# Altium PCB foxbms2-master.PcbDoc (part 4 of 11)
Units mm, origin at the board's own origin, x right, y up, seen from the top; angles counter-clockwise.
Board outline 200.02 x 144.34 mm, 8 copper layers (Top, Int1 (Sig), Int2 (Gnd), Int3 (Sig), Int4 (Sig), Int5 (Pwr), Int6 (Sig), Bottom), stack 1.636 mm thick; 806 components, 624 nets, 2842 pads, 2610 vias.
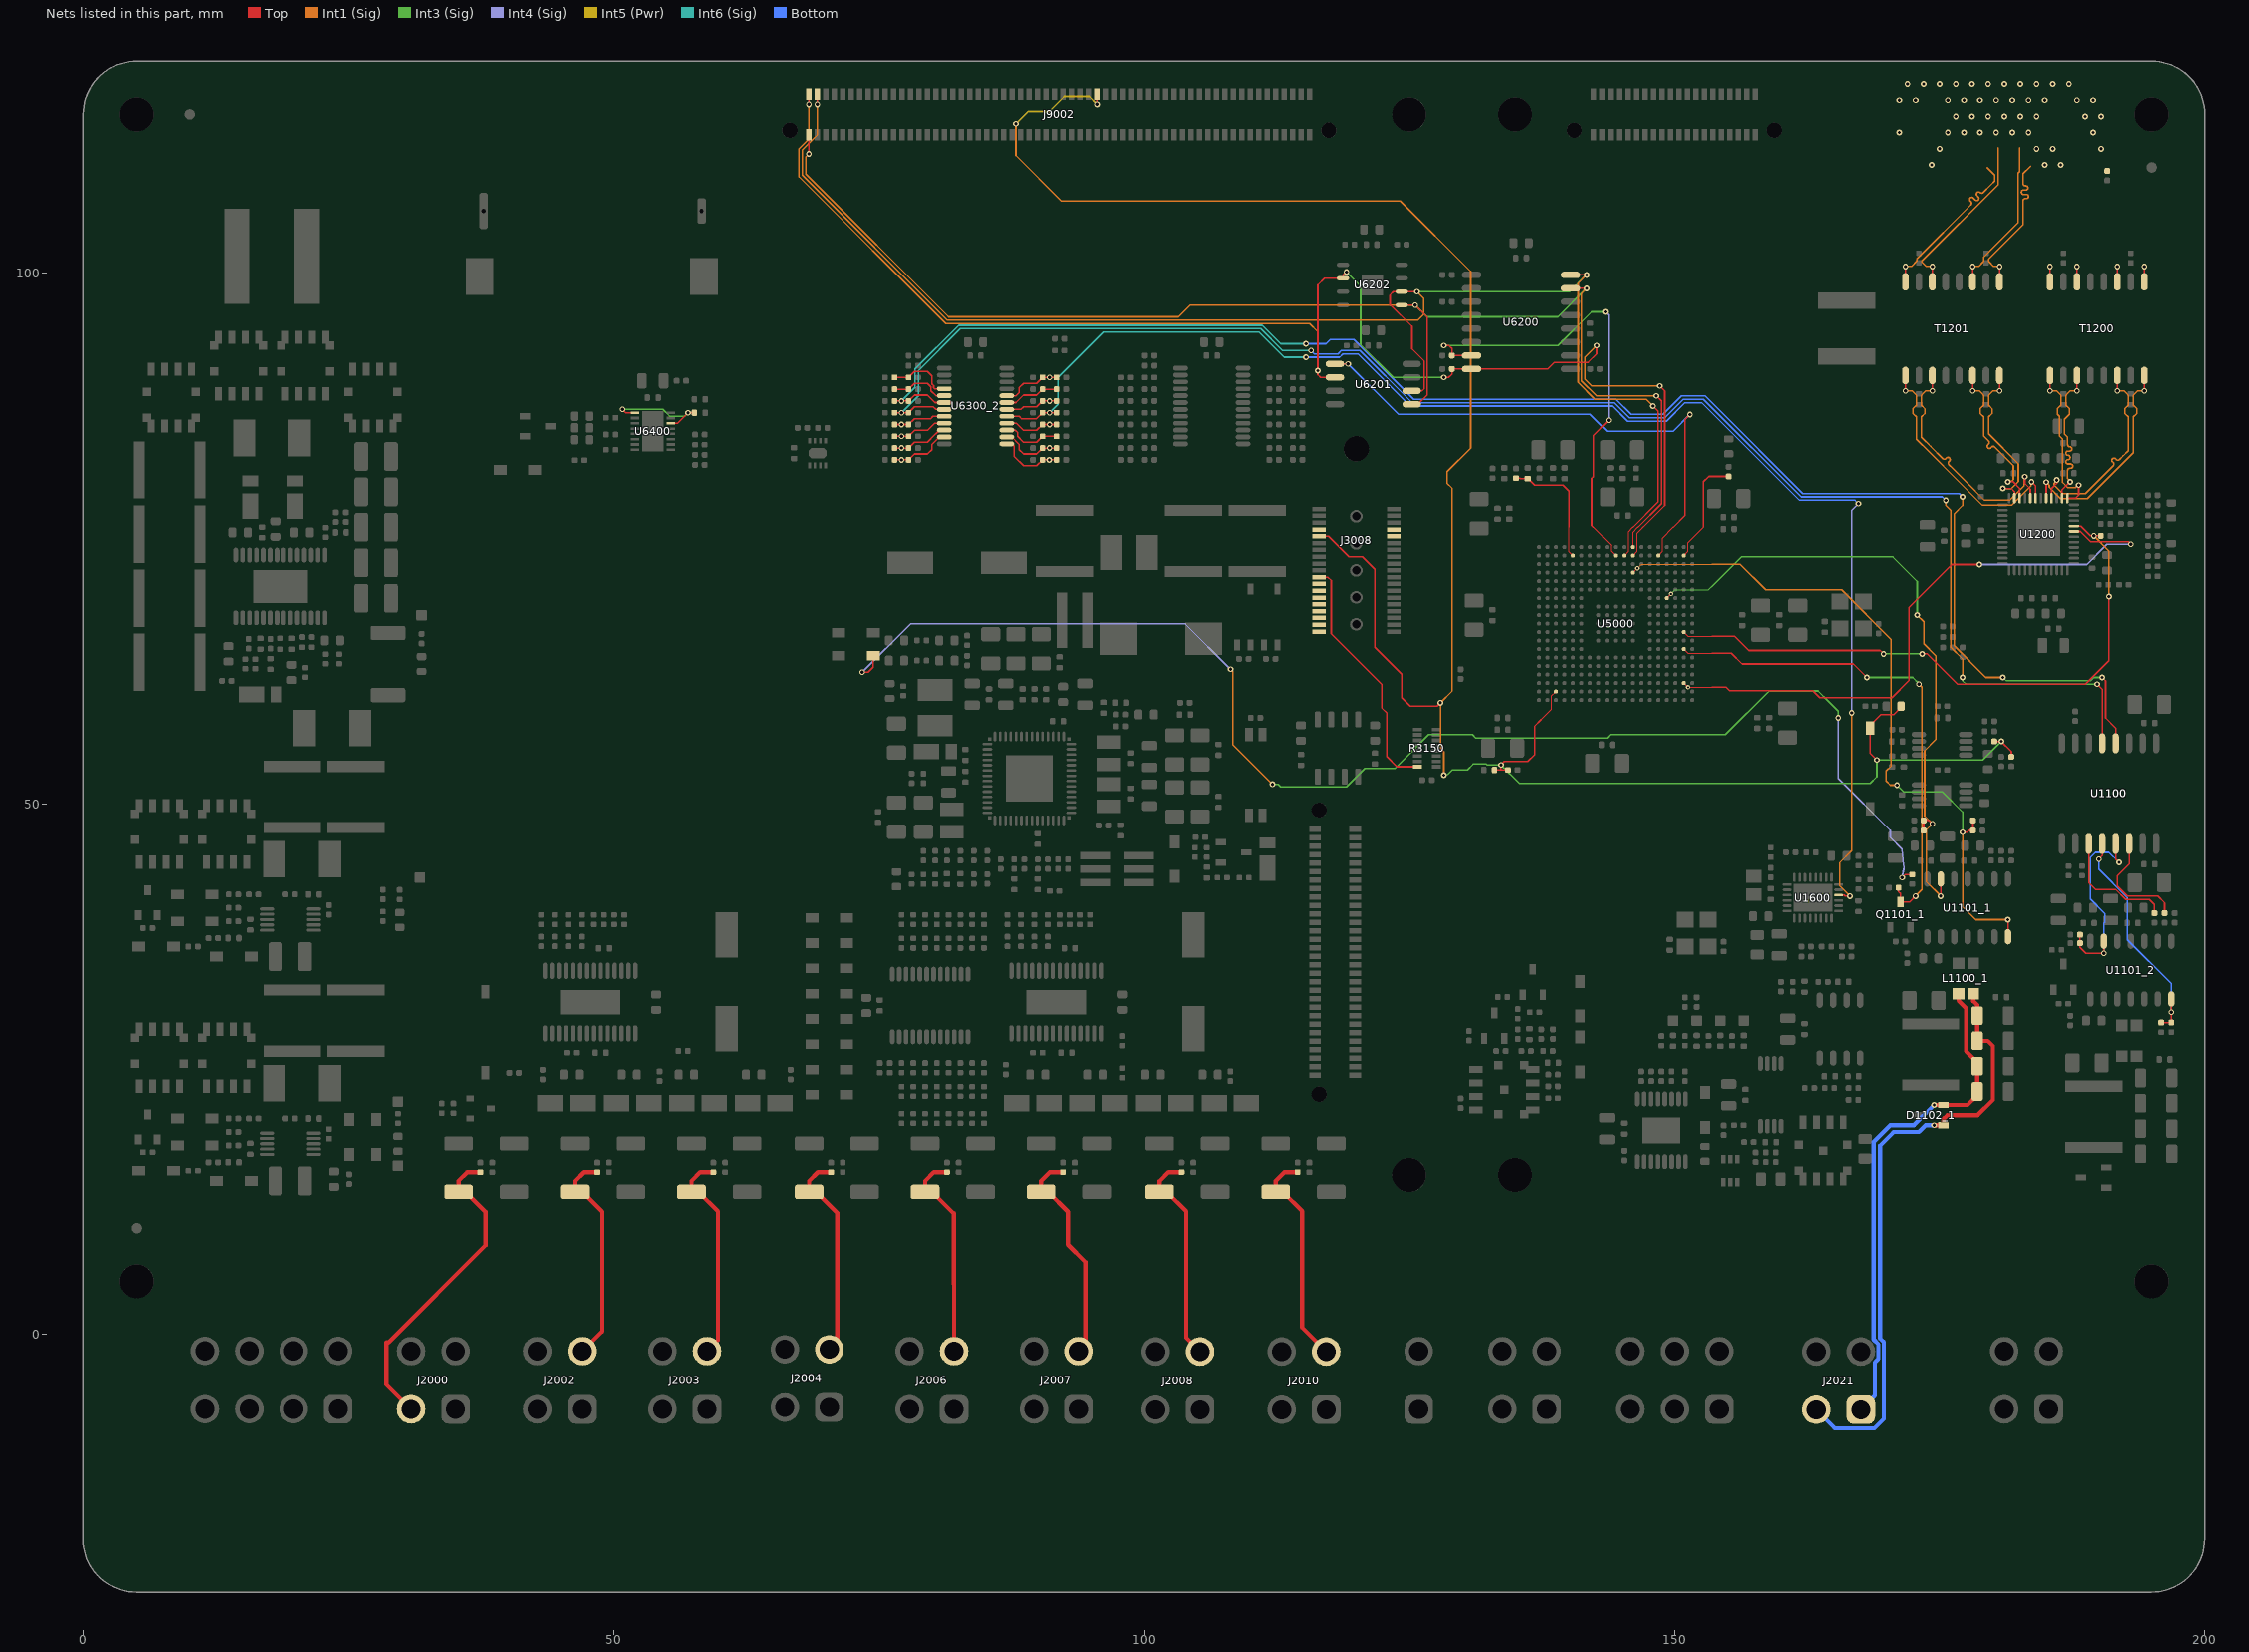
[diagram p10: the nets of this part, all layers, seen from the top]

## Part data (continued)
R1200 R1201 R1202 R1203 R1212 R1213 R1214 R1215 R1224 R1225 R1226 R4205_1 R4205_2 R4205_3 R4205_4 R4205_5 R4205_6 R4205_7 R4205_8 R6300 R6301 R6403 R6404 R6500 R6501 R7103 R7236 R7237 R8011 R8012 R8022: library part gen_R_2k49_0402, "SMD Resistor 2k49 0402", Case EIA=0402, Case Metric=1005, Maximum Working Voltage=50V, Operating Temperature="-55°C - +155°C", PnP Package=0402R, Power=0.063W, Supplier Part Number 1=2059135, Tolerance=1%, Automotive Qualified=True, Part Number=gen_R_2k49_0402, PnP Value=2k49, Resistance=2k49, Series=E96, Supplier 1=Farnell
R1204 R1205 R1206 R1207: library part gen_R_120R_0402, "SMD Resistor 120R 0402", Case EIA=0402, Case Metric=1005, Maximum Working Voltage=50V, Operating Temperature="-55°C - +155°C", PnP Package=0402R, Power=0.063W, Supplier Part Number 1=2302535, Tolerance=1%, AEC-Q Norm=AEC-Q200, Automotive Qualified=True, ECCN=EAR99, Part Number=gen_R_120R_0402, PnP Value=120R, Resistance=120R, Series=E24, Supplier 1=Farnell
R1216 R1217 R1218 R1219 R1220: library part gen_R_75R_0402, "SMD Resistor 75R 0402", Case EIA=0402, Case Metric=1005, Maximum Working Voltage=50V, Operating Temperature="-55°C - +155°C", PnP Package=0402R, Power=0.063W, Supplier Part Number 1=2059111, Tolerance=1%, AEC-Q Grade="Grade 0", AEC-Q Norm=AEC-Q200, Automotive Qualified=True, ECCN=EAR99, Part Number=gen_R_75R_0402, PnP Value=75R, Resistance=75R, Series="E24, E96", Supplier 1=Farnell
R1221: library part gen_R_11k_0402, "SMD Resistor 11k 0402", Case EIA=0402, Case Metric=1005, Maximum Working Voltage=50V, Operating Temperature="-55°C - +155°C", PnP Package=0402R, Power=0.063W, Supplier Part Number 1=2324762, Tolerance=1%, AEC-Q Norm=AEC-Q200, Automotive Qualified=True, ECCN=EAR99, Part Number=gen_R_11k_0402, PnP Value=11k, Resistance=11k, Series="E24, E96", Supplier 1=Farnell
R1222 R3000 R3004 R3009 R7207 R7229 R7231 R7232 R7235 R7240 R7241 R7242 R7243: library part gen_R_5k1_0402, "SMD Resistor 5k1 0402", Case EIA=0402, Case Metric=1005, Maximum Working Voltage=50V, Operating Temperature="-55°C - +155°C", PnP Package=0402R, Power=0.063W, Supplier Part Number 1=2302709, Tolerance=1%, AEC-Q Grade="Grade 0", AEC-Q Norm=AEC-Q200, Automotive Qualified=True, ECCN=EAR99, Part Number=gen_R_5k1_0402, PnP equipped=x, PnP Value=5k1, Resistance=5k1, Series=E24, Supplier 1=Farnell
R1227: library part gen_R_2k2_0402, "SMD Resistor 2k2 0402", Case EIA=0402, Case Metric=1005, Maximum Working Voltage=50V, Operating Temperature="-55°C - +155°C", PnP Package=0402R, Power=0.063W, Supplier Part Number 1=4136977, Tolerance=1%, AEC-Q Norm=AEC-Q200, Automotive Qualified=True, Part Number=gen_R_2k2_0402, PnP equipped=x, PnP Value=2k2, Resistance=2k2, Series=E24, Supplier 1=Farnell
R1600 R8016: library part gen_R_2R_0805, "SMD Resistor 2R 0805", Case EIA=0805, Case Metric=2012, Maximum Working Voltage=150V, Operating Temperature="-55°C - +155°C", PnP Package=0805R, Power=0.125W, Supplier Part Number 1=P19275CT-ND, Tolerance=1%, AEC-Q Grade="Grade 0", AEC-Q Norm=AEC-Q200, Automotive Qualified=True, ECCN=EAR99, Part Number=gen_R_2R_0805, PnP Value=2R, Resistance=2R, Series="E24, E96", Supplier 1=Digikey
R1609 R1610 R1612 R1613: library part gen_R_390R_0402, "SMD Resistor 390R 0402", Case EIA=0402, Case Metric=1005, Maximum Working Voltage=50V, Operating Temperature="-55°C - +155°C", PnP Package=0402R, Power=0.063W, Supplier Part Number 1=2563565, Tolerance=1%, AEC-Q Grade="Grade 0", AEC-Q Norm=AEC-Q200, Automotive Qualified=True, ECCN=EAR99, Part Number=gen_R_390R_0402, PnP Value=390R, Resistance=390R, Series=E24, Supplier 1=Farnell
R1611 R6608 R7002 R7007 R7234 R7244 R7250: library part gen_R_220R_0402, "SMD Resistor 220R 0402", Case EIA=0402, Case Metric=1005, Maximum Working Voltage=50V, Operating Temperature="-55°C - +155°C", PnP Package=0402R, Power=0.063W, Supplier Part Number 1=A129619CT-ND, Tolerance=1%, AEC-Q Grade="Grade 0", AEC-Q Norm=AEC-Q200, Automotive Qualified=True, ECCN=EAR99, Part Number=gen_R_220R_0402, PnP Value=220R, Resistance=220R, Series=E24, Supplier 1=Digikey
R3150: library part EXB2HV220JV, "SMD Resistor Array 0402 8x", Case EIA=EXB2HV, Maximum Working Voltage=25V, Operating Temperature="-55°C - +155°C", Power=63mW, Supplier Part Number 1=2060065, Tolerance=5%, AEC-Q Grade="Grade 1", AEC-Q Norm=AEC-Q200, Automotive Qualified=True, ECCN=EAR99, Part Number=EXB2HV220JV, Resistance=22R, Series="E24, E96", Supplier 1=Farnell, Supplier 2=Mouser, Supplier Part Number 2=667-EXB-2HV220JV
R4202_1 R4202_2 R4202_3 R4202_4 R4202_5 R4202_6 R4202_7 R4202_8: library part gen_R_86R6_2010, "SMD Resistor 86R6 2010", Case EIA=2010, Case Metric=5025, Maximum Working Voltage=400V, Operating Temperature="-55°C - +155°C", PnP Package=2010R, Power=0.75W, Supplier Part Number 1=541-86.6ACCT-ND, Tolerance=1%, AEC-Q Grade="Grade 0", AEC-Q Norm=AEC-Q200, Automotive Qualified=True, ECCN=EAR99, Part Number=gen_R_86R6_2010, PnP Value=86R6, Resistance=86R6, Series=E96, Supplier 1=Digikey
R4203_1 R4203_2 R4203_3 R4203_4 R4203_5 R4203_6 R4203_7 R4203_8 R4206_1 R4206_2 R4206_3 R4206_4 R4206_5 R4206_6 R4206_7 R4206_8 R7000 R7004 R8002 R8010: library part gen_R_5k6_0402, "SMD Resistor 5k6 0402", Case EIA=0402, Case Metric=1005, Maximum Working Voltage=50V, Operating Temperature="-55°C - +155°C", PnP Package=0402R, Power=0.063W, Supplier Part Number 1=A129636CT-ND, Tolerance=1%, AEC-Q Grade="Grade 0", AEC-Q Norm=AEC-Q200, Automotive Qualified=True, ECCN=EAR99, Part Number=gen_R_5k6_0402, PnP Value=5k6, Resistance=5k6, Series=E24, Supplier 1=Digikey
R4204_1 R4204_2 R4204_3 R4204_4 R4204_5 R4204_6 R4204_7 R4204_8: library part gen_R_33R_2010, "SMD Resistor 33R 2010", Case EIA=2010, Case Metric=5025, Maximum Working Voltage=400V, Operating Temperature="-55°C - +155°C", PnP Package=2010R, Power=0.75W, Supplier Part Number 1=2324408, Tolerance=1%, AEC-Q Grade="Grade 0", AEC-Q Norm=AEC-Q200, Automotive Qualified=True, ECCN=EAR99, Part Number=gen_R_33R_2010, PnP Value=33R, Resistance=33R, Series=E24, Supplier 1=Farnell
R4404 R4406 R4409: library part gen_R_1k5_0402, "SMD Resistor 1k5 0402", Case EIA=0402, Case Metric=1005, Maximum Working Voltage=50V, Operating Temperature="-55°C - +155°C", PnP Package=0402R, Power=0.063W, Supplier Part Number 1=2302656, Tolerance=1%, Automotive Qualified=True, Part Number=gen_R_1k5_0402, PnP Value=1k5, Resistance=1k5, Series="E24, E96", Supplier 1=Farnell, Supplier 2=Farnell, Supplier Part Number 2=1653201
R4405 R4407 R4411: library part gen_R_680R_0402, "SMD Resistor 680R 0402", Case EIA=0402, Case Metric=1005, Maximum Working Voltage=50V, Operating Temperature="-55°C - +155°C", PnP Package=0402R, Power=0.063W, Supplier Part Number 1=2302619, Tolerance=1%, AEC-Q Grade="Grade 0", AEC-Q Norm=AEC-Q200, Automotive Qualified=True, ECCN=EAR99, Part Number=gen_R_680R_0402, PnP Value=680R, Resistance=680R, Series=E24, Supplier 1=Farnell
R4501_1 R4501_2 R4502_1 R4502_2 R4503_1 R4503_2 R4508_1 R4508_2: library part gen_R_47k_0402, "SMD Resistor 47k 0402", Case EIA=0402, Case Metric=1005, Maximum Working Voltage=50V, Operating Temperature="-55°C - +155°C", PnP Package=0402R, Power=0.063W, Supplier Part Number 1=A129647CT-ND, Tolerance=1%, AEC-Q Grade="Grade 0", AEC-Q Norm=AEC-Q200, Automotive Qualified=True, ECCN=EAR99, Part Number=gen_R_47k_0402, PnP equipped=x, PnP Value=47k, Resistance=47k, Series=E24, Supplier 1=Digikey
R4513_1 R4513_2: library part gen_R_47k5_0402, "SMD Resistor 47k5 0402", Case EIA=0402, Case Metric=1005, Maximum Working Voltage=50V, Operating Temperature="-55°C - +155°C", PnP Package=0402R, Power=0.063W, Supplier Part Number 1=2563598, Tolerance=1%, AEC-Q Grade="Grade 0", AEC-Q Norm=AEC-Q200, Automotive Qualified=True, ECCN=EAR99, Part Number=gen_R_47k5_0402, PnP Value=47k5, Resistance=47k5, Series=E96, Supplier 1=Farnell
R5000 R7306_1 R7306_2: library part gen_R_33R_0402, "SMD Resistor 33R 0402", Case EIA=0402, Case Metric=1005, Maximum Working Voltage=50V, Operating Temperature="-55°C - +155°C", PnP Package=0402R, Power=0.063W, Supplier Part Number 1=A129609CT-ND, Tolerance=1%, AEC-Q Grade="Grade 0", AEC-Q Norm=AEC-Q200, Automotive Qualified=True, ECCN=EAR99, Part Number=gen_R_33R_0402, PnP Value=33R, Resistance=33R, Series=E24, Supplier 1=Digikey
R6200 R6201 R6202 R6203 R6204 R6205 R6206 R6207 R6408 R6409 R6410 R6411 R7238 R7251 R7307_1 R7307_2: library part gen_R_100k_0402, "SMD Resistor 100k 0402", Case EIA=0402, Case Metric=1005, Maximum Working Voltage=50V, Operating Temperature="-55°C - +155°C", PnP Package=0402R, Power=0.063W, Supplier Part Number 1=2302839, Tolerance=1%, Automotive Qualified=True, Part Number=gen_R_100k_0402, PnP equipped=x, PnP Value=100k, Resistance=100k, Series="E24, E96", Supplier 1=Farnell
R6402 R6412 R6413: library part gen_R_10k_0603, "SMD Resistor 10k 0603", Case EIA=0603, Case Metric=1608, Maximum Working Voltage=75V, Operating Temperature="-55°C - +155°C", PnP Package=0603R, Power=0.1W, Supplier Part Number 1=2303192, Tolerance=1%, AEC-Q Norm=AEC-Q200, Automotive Qualified=True, ECCN=EAR99, Part Number=gen_R_10k_0603, PnP equipped=x, PnP Value=10k, Resistance=10k, Series="E24, E96", Supplier 1=Farnell, Supplier 2=Mouser, Supplier Part Number 2=667-ERJ-3EKF1002V
R6604 R7113 R7205: library part gen_R_20k_0402, "SMD Resistor 20k 0402", Case EIA=0402, Case Metric=1005, Maximum Working Voltage=50V, Operating Temperature="-55°C - +155°C", PnP Package=0402R, Power=0.063W, Supplier Part Number 1=2059242, Tolerance=1%, AEC-Q Norm=AEC-Q200, Automotive Qualified=True, ECCN=EAR99, Part Number=gen_R_20k_0402, PnP equipped=x, PnP Value=20k, Resistance=20k, Series="E24, E96", Supplier 1=Farnell, Supplier 2=Farnell, Supplier Part Number 2=2059160
R7001 R7206: library part gen_R_1k91_0402, "SMD Resistor 1k91 0402", Case EIA=0402, Case Metric=1005, Maximum Working Voltage=50V, Operating Temperature="-55°C - +155°C", PnP Package=0402R, Power=0.063W, Supplier Part Number 1=P1.91KLCT-ND, Tolerance=1%, AEC-Q Grade="Grade 0", AEC-Q Norm=AEC-Q200, Automotive Qualified=True, ECCN=EAR99, Part Number=gen_R_1k91_0402, PnP Value=1k91, Resistance=1k91, Series=E96, Supplier 1=Digikey
R7008: library part gen_R_866R_0402, "SMD Resistor 866R 0402", Case EIA=0402, Case Metric=1005, Maximum Working Voltage=50V, Operating Temperature="-55°C - +155°C", PnP Package=0402R, Power=0.063W, Supplier Part Number 1=2302631, Tolerance=1%, AEC-Q Grade="Grade 0", AEC-Q Norm=AEC-Q200, Automotive Qualified=True, ECCN=EAR99, Part Number=gen_R_866R_0402, PnP Value=866R, Resistance=866R, Series=E96, Supplier 1=Farnell
R7100 R7108 R7301_1 R7301_2: library part ERJ-MS4HF5M0U, "SMD Shunt Resistor 0R005", Case EIA=2512, Operating Temperature="-65°C - +170°C", Power=3W, Supplier Part Number 1=P17093CT-ND, Tolerance=1%, Automotive Qualified=True, Part Number=ERJ-MS4HF5M0U, Resistance=0R005, Supplier 1=Digikey
R7104 R7303_1 R7303_2 R8014 R8017: library part gen_R_10R_0402, "SMD Resistor 10R 0402", Case EIA=0402, Case Metric=1005, Maximum Working Voltage=50V, Operating Temperature="-55°C - +155°C", PnP Package=0402R, Power=0.063W, Supplier Part Number 1=2302417, Tolerance=1%, Automotive Qualified=True, Part Number=gen_R_10R_0402, PnP Value=10R, Resistance=10R, Series="E24, E96", Supplier 1=Farnell
R7110: library part gen_R_93k1_0402, "SMD Resistor 93k1 0402", Case EIA=0402, Case Metric=1005, Maximum Working Voltage=50V, Operating Temperature="-55°C - +155°C", PnP Package=0402R, Power=0.063W, Supplier Part Number 1=2302836, Tolerance=1%, AEC-Q Grade="Grade 0", AEC-Q Norm=AEC-Q200, Automotive Qualified=True, ECCN=EAR99, Part Number=gen_R_93k1_0402, PnP Value=93k1, Resistance=93k1, Series=E96, Supplier 1=Farnell
R7111: library part gen_R_23k7_0402, "SMD Resistor 23k7 0402", Case EIA=0402, Case Metric=1005, Maximum Working Voltage=50V, Operating Temperature="-55°C - +155°C", PnP Package=0402R, Power=0.063W, Supplier Part Number 1=2302775, Tolerance=1%, AEC-Q Grade="Grade 0", AEC-Q Norm=AEC-Q200, Automotive Qualified=True, ECCN=EAR99, Part Number=gen_R_23k7_0402, PnP Value=23k7, Resistance=23k7, Series=E96, Supplier 1=Farnell
R7112: library part gen_R_280k_0402, "SMD Resistor 280k 0402", Case EIA=0402, Case Metric=1005, Maximum Working Voltage=50V, Operating Temperature="-55°C - +155°C", PnP Package=0402R, Power=0.063W, Supplier Part Number 1=2302887, Tolerance=1%, AEC-Q Grade="Grade 0", AEC-Q Norm=AEC-Q200, Automotive Qualified=True, ECCN=EAR99, Part Number=gen_R_280k_0402, PnP Value=280k, Resistance=280k, Series=E96, Supplier 1=Farnell
R7114 R7209 R7210: library part gen_R_4k7_0402, "SMD Resistor 4k7 0402", Case EIA=0402, Case Metric=1005, Maximum Working Voltage=50V, Operating Temperature="-55°C - +155°C", PnP Package=0402R, Power=0.063W, Supplier Part Number 1=2302707, Tolerance=1%, Automotive Qualified=True, Part Number=gen_R_4k7_0402, PnP equipped=x, PnP Value=4k7, Resistance=4k7, Series=E24, Supplier 1=Farnell
R7115: library part gen_R_0R_2512, "SMD Resistor 0R 2512", Case EIA=2512, Case Metric=6432, Maximum Working Voltage=500V, Operating Temperature="-55°C - +155°C", PnP Package=2512R, Power=1W, Supplier Part Number 1=2309110, Automotive Qualified=True, Part Number=gen_R_0R_2512, PnP Value=0R, Resistance=0R, Series=Jumper, Supplier 1=Farnell
R7208: library part gen_R_26k7_0402, "SMD Resistor 26k7 0402", Case EIA=0402, Case Metric=1005, Maximum Working Voltage=50V, Operating Temperature="-55°C - +155°C", PnP Package=0402R, Power=0.063W, Supplier Part Number 1=P26.7KLCT-ND, Tolerance=1%, AEC-Q Grade="Grade 0", AEC-Q Norm=AEC-Q200, Automotive Qualified=True, ECCN=EAR99, Part Number=gen_R_26k7_0402, PnP Value=26k7, Resistance=26k7, Series=E96, Supplier 1=Digikey
R7226: library part ERJ-B1CFR015U, "SMD Shunt Resistor 0R015", Case EIA=ERJ-B1, Maximum Working Voltage=200V, Operating Temperature="-55°C - +155°C", Power=2W, Supplier Part Number 1=2294050, Tolerance=1%, Automotive Qualified=True, Part Number=ERJ-B1CFR015U, Resistance=0R015, Supplier 1=Farnell, Supplier 2=Mouser, Supplier Part Number 2=667-ERJ-B1CFR015U
R7227 R7228: library part gen_R_1M_0402, "SMD Resistor 1M 0402", Case EIA=0402, Case Metric=1005, Maximum Working Voltage=50V, Operating Temperature="-55°C - +155°C", PnP Package=0402R, Power=0.063W, Supplier Part Number 1=A129663CT-ND, Tolerance=1%, AEC-Q Grade="Grade 0", AEC-Q Norm=AEC-Q200, Automotive Qualified=True, ECCN=EAR99, Part Number=gen_R_1M_0402, PnP Value=1M, Resistance=1M, Series="E24, E96", Supplier 1=Digikey
R7233: library part gen_R_470k_0402, "SMD Resistor 470k 0402", Case EIA=0402, Case Metric=1005, Maximum Working Voltage=50V, Operating Temperature="-55°C - +155°C", PnP Package=0402R, Power=0.063W, Supplier Part Number 1=2302916, Tolerance=1%, Automotive Qualified=True, Part Number=gen_R_470k_0402, PnP Value=470k, Resistance=470k, Series=E24, Supplier 1=Farnell
R7304_1 R7304_2 R7305_1 R7305_2 R7311_1 R7311_2 R8021: library part gen_R_240k_0402, "SMD Resistor 240k 0402", Case EIA=0402, Case Metric=1005, Maximum Working Voltage=50V, Operating Temperature="-55°C - +155°C", PnP Package=0402R, Power=0.063W, Supplier Part Number 1=P240KLCT-ND, Tolerance=1%, AEC-Q Grade="Grade 0", AEC-Q Norm=AEC-Q200, Automotive Qualified=True, ECCN=EAR99, Part Number=gen_R_240k_0402, PnP Value=240k, Resistance=240k, Series=E24, Supplier 1=Digikey
R8000: library part gen_R_330R_0603, "SMD Resistor 330R 0603", Case EIA=0603, Case Metric=1608, Maximum Working Voltage=75V, Operating Temperature="-55°C - +155°C", PnP Package=0603R, Power=0.1W, Supplier Part Number 1=2692155, Tolerance=1%, Automotive Qualified=True, Part Number=gen_R_330R_0603, PnP Value=330R, Resistance=330R, Series=E24, Supplier 1=Farnell
R8004 R8013: library part gen_R_3k9_0402, "SMD Resistor 3k9 0402", Case EIA=0402, Case Metric=1005, Maximum Working Voltage=50V, Operating Temperature="-55°C - +155°C", PnP Package=0402R, Power=0.063W, Supplier Part Number 1=2302698, Tolerance=1%, AEC-Q Grade="Grade 0", AEC-Q Norm=AEC-Q200, Automotive Qualified=True, ECCN=EAR99, Part Number=gen_R_3k9_0402, PnP Value=3k9, Resistance=3k9, Series=E24, Supplier 1=Farnell
R8018: library part gen_R_1k_0402, "SMD Resistor 1k 0402", Case EIA=0402, Case Metric=1005, Maximum Working Voltage=50V, Operating Temperature="-55°C - +155°C", PnP Package=0402R, Power=0.063W, Supplier Part Number 1=2302638, Tolerance=1%, AEC-Q Norm=AEC-Q200, Automotive Qualified=True, ECCN=EAR99, Part Number=gen_R_1k_0402, PnP equipped=x, PnP Value=1k, Resistance=1k, Series="E24, E96", Supplier 1=Farnell
R8019: library part gen_R_22k1_0402, "SMD Resistor 22k1 0402", Case EIA=0402, Case Metric=1005, Maximum Working Voltage=50V, Operating Temperature="-55°C - +155°C", PnP Package=0402R, Power=0.063W, Supplier Part Number 1=2563485, Tolerance=1%, AEC-Q Grade="Grade 0", AEC-Q Norm=AEC-Q200, Automotive Qualified=True, ECCN=EAR99, Part Number=gen_R_22k1_0402, PnP Value=22k1, Resistance=22k1, Series=E96, Supplier 1=Farnell
R8023: library part gen_R_10R_0805, "SMD Resistor 10R 0805", Case EIA=0805, Case Metric=2012, Maximum Working Voltage=150V, Operating Temperature="-55°C - +155°C", PnP Package=0805R, Power=0.125W, Supplier Part Number 1=1750728, Tolerance=1%, AEC-Q Grade="Grade 0", AEC-Q Norm=AEC-Q200, Automotive Qualified=True, ECCN=EAR99, Part Number=gen_R_10R_0805, PnP Value=10R, Resistance=10R, Series="E24, E96", Supplier 1=Farnell
R8025: library part gen_R_330R_0402, "SMD Resistor 330R 0402", Case EIA=0402, Case Metric=1005, Maximum Working Voltage=50V, Operating Temperature="-55°C - +155°C", PnP Package=0402R, Power=0.063W, Supplier Part Number 1=2302581, Tolerance=1%, AEC-Q Grade="Grade 0", AEC-Q Norm=AEC-Q200, Automotive Qualified=True, ECCN=EAR99, Part Number=gen_R_330R_0402, PnP Value=330R, Resistance=330R, Series=E24, Supplier 1=Farnell
S4500 S6600: library part WE_416131160801, "WS-DISV Small Compact SMT DipSwitch", Manufacturer="Würth Elektronik", Operating Temperature="-40°C - +85°C", Supplier Part Number 1=732-3851-1-ND, Automotive Qualified=False, ComponentLink1Description=Datasheet, ComponentLink1URL=https://www.we-online.de/katalog/datasheet/418121270801.pdf, Part Name=WS-DISV, Part Number=WE_416131160801, Supplier 1=Digikey, Supplier 2=Mouser, Supplier Part Number 2=710-416131160801
S7200: library part WE_416131160802, "WS-DISV Small Compact SMT DipSwitch", Manufacturer="Würth Elektronik", Operating Temperature="-40°C - +85°C", Supplier Part Number 1=732-3852-1-ND, Automotive Qualified=False, ComponentLink1Description=Datasheet, ComponentLink1URL=https://www.we-online.de/katalog/datasheet/418121270802.pdf, Part Name=WS-DISV, Part Number=WE_416131160802, Supplier 1=Digikey, Supplier 2=Mouser, Supplier Part Number 2=710-416131160802
T1200 T1201: "10/100 Base-T Transformer", Manufacturer=Bourns, Operating Temperature="−40°C - +125°C", Supplier Part Number 1=2932105, Automotive Qualified=True, ComponentLink1Description=Datasheet, ComponentLink1URL=https://datasheet.octopart.com/SM91074ALE-Bourns-datasheet-134093235.pdf, Part Name=SM91074ALE, Part Number=SM91074ALE, Supplier 1=Farnell, Supplier 2=Mouser, Supplier 3=Digikey, Supplier Part Number 2=652-SM91074ALE, Supplier Part Number 3=SM91074ALECT-ND
TP8000 TP8001 TP8002 TP8003 TP_GND TP_VBB_12V TP_VSUP_30 TP_VSUP_30C: "Testpoint, square", Automotive Qualified=False, Part Number=Testpoint_Square
U1100: "Digital Isolator, 4 channel, with power"
U1100: "Automotive High-Performance, 5000-VRMS Reinforced Quad-Channel Digital Isolator With Integrated High-Efficiency, Low-Emissions DC-DC Converter", Manufacturer="Texas Instruments", Operating Temperature="−40°C - +125°C", PnP Package=SOIC-16, Supplier Part Number 1=296-ISOW7841AQDWEQ1-ND, AEC-Q Grade="Grade 1", AEC-Q Norm=AEC-Q100, Automotive Qualified=True, ComponentLink1Description=Datasheet, ComponentLink1URL=https://www.ti.com/lit/ds/symlink/isow7841a-q1.pdf?ts=1619516874236, ECCN=EAR99, Part Name=ISOW7841AQDWEQ1, Part Number=ISOW7841AQDWEQ1, Supplier 1=Digikey, Supplier 2=Mouser, Supplier Part Number 2=595-ISOW7841AQDWEQ1
U1101_1 U1101_2: "Low-Power Fault Protected CAN Transceiver with CAN FD and Wake", Manufacturer="Texas Instruments", Operating Temperature="−55°C - +125°C", PnP Package=SOIC-14, Supplier Part Number 1=595-TCAN1043HDQ1, AEC-Q Grade="Grade 1", AEC-Q Norm=AEC-Q100, Automotive Qualified=True, ComponentLink1Description=Datasheet, ComponentLink1URL=https://www.ti.com/lit/ds/symlink/tcan1043h-q1.pdf?HQS=dis-mous-null-mousermode-dsf-pf-null-wwe&DCM=yes&ref_url=https%3A%2F%2Fwww.mouser.de%2F&distId=26, ECCN=EAR99, Part Name=TCAN1043HDQ1, Part Number=TCAN1043HDQ1, Supplier 1=Mouser, Supplier 2=Digikey, Supplier Part Number 2=296-47920-ND
U1200: "High Immunity 10/100/1000 Ethernet Physical Layer Transceiver and Fiber Interface", Manufacturer="Texas Instruments", Operating Temperature="−40°C - +125°C", PnP Package=VQFN-48, Supplier Part Number 1=296-53377-1-ND, Automotive Qualified=False, ComponentLink1Description=Datasheet, ComponentLink1URL=http://www.ti.com/lit/ds/symlink/dp83869hm.pdf, Part Name=DP83869HMRGZT, Part Number=DP83869HMRGZT, Supplier 1=Digikey, Supplier 2=Mouser, Supplier Part Number 2=595-DP83869HMRGZT
U1600: "RS-232-IC-Interface RS232/RS485 Multiprotocol Transceiver with Integrated Termination", Manufacturer="Analog Devices", Operating Temperature="−40°C - +125°C", PnP Package=QFN-28, Supplier Part Number 1=584-LTC2870HUFD#PBF, Automotive Qualified=False, ComponentLink1Description=Datasheet, ComponentLink1URL=https://www.analog.com/media/en/technical-documentation/data-sheets/28701fb.pdf, Part Name=LTC2870HUFD, Part Number=LTC2870HUFD, Supplier 1=Mouser, Supplier 2=Digikey, Supplier Part Number 2=LTC2870HUFD#TRPBF-ND
U4301: "Ultralow Noise, High Accuracy Voltage Reference", Manufacturer="Analog Devices", Operating Temperature="−40°C - +125°C", PnP Package=SO-8, Supplier Part Number 1=2112695, AEC-Q Grade=unknown, AEC-Q Norm=AEC-Q100, Automotive Qualified=True, ComponentLink1Description=Datasheet, ComponentLink1URL=http://www.analog.com/media/en/technical-documentation/data-sheets/ADR4520_4525_4530_4533_4540_4550.pdf, ECCN=EAR99, Part Name=ADR4550BRZ, Part Number=ADR4550BRZ, Supplier 1=Farnell, Supplier 2=Digikey, Supplier 3=Mouser, Supplier Part Number 2=ADR4550BRZ-ND, Supplier Part Number 3=584-ADR4550BRZ
U4500_1 U4500_2: "Quad 100 mΩ / dual 50 mΩ, 3.0 V to 60 V high-side switch", Manufacturer=NXP, Operating Temperature="−40°C - +125°C", PnP Package=HTSSOP-28, Automotive Qualified=True, Part Name=MC33XS2410EL, Part Number=MC33XS2410EL
U6200: "512 Mbit (64 Mbyte), 3.0 V SPI Flash Memory", Manufacturer=Cypress, Operating Temperature="−40°C - +125°C", PnP Package=SOIC-16, Supplier Part Number 1=727-S25FL512SSMFM010, Automotive Qualified=True, ComponentLink1Description=Datasheet, ComponentLink1URL=https://www.cypress.com/file/177971/download, Part Name=S25FL512SDSMFM010, Part Number=S25FL512SDSMFM010, Supplier 1=Mouser, Supplier 2=Digikey, Supplier Part Number 2=S25FL512SDSMFM010-ND
U6201: "Excelon™-Auto 2-Mbit (256K × 8) Automotive-E Serial (SPI) F-RAM", Manufacturer=Cypress, Operating Temperature="−40°C - +125°C", PnP Package=SOIC-8, Supplier Part Number 1=727-CY15B102QN-50SXE, Automotive Qualified=True, ComponentLink1Description=Datasheet, ComponentLink1URL=https://www.cypress.com/file/400736/download, Part Name=CY15B102QN-50SXE, Part Number=CY15B102QN-50SXE, Supplier 1=Mouser
U6202: "Magnetoresistive random access memory (MRAM) device", Manufacturer=Everspin, Operating Temperature="−40°C - +125°C", PnP Package=DFN-8, Automotive Qualified=False, Part Name=MR25H40BMDF, Part Number=MR25H40BMDF
U6300_1 U6300_2 U6300_3: "16-bit I2C-bus and SMBus low power I/O port with interrupt and reset", Manufacturer=NXP, Operating Temperature="−40°C - +125°C", Supplier Part Number 1=771-PCA9539PW/Q90011, Automotive Qualified=False, ComponentLink1Description=Datasheet, ComponentLink1URL=https://www.nxp.com/docs/en/data-sheet/PCA9539_PCA9539R.pdf, Part Name=PCA9539PW, Part Number=PCA9539PW, Supplier 1=Mouser
U6400: "Ultra low power and high accurate RTC with integrated quartz crystal", Manufacturer=NXP, Operating Temperature="−40°C - +85°C", AEC-Q Norm=AEC-Q100, Automotive Qualified=True, ComponentLink1Description=Datasheet, ComponentLink1URL=https://www.nxp.com/docs/en/data-sheet/PCF2131DS.pdf, Part Name=PCF2131TF, Part Number=PCF2131TF
U6500: "Humidity/Temp Sensor, Digital, Dfn-8", Manufacturer=Sensirion, Operating Temperature="-40°C - +125°C", PnP Package=DFN, Supplier Part Number 1=2886656, Automotive Qualified=True, ComponentLink1Description=Datasheet, ComponentLink1URL=http://www.farnell.com/datasheets/2756487.pdf, Part Name=SHT35-DIS-F, Part Number=SHT35-DIS-F, Supplier 1=Farnell, Supplier 2=Digikey, Supplier 3=Mouser, Supplier Part Number 2=1649-1067-1-ND, Supplier Part Number 3=403-SHT35-DIS-F